# EAGLE board Mk4 Final Panel 8up 2x4 (EAGLE 9.0.1), part 9 of 23
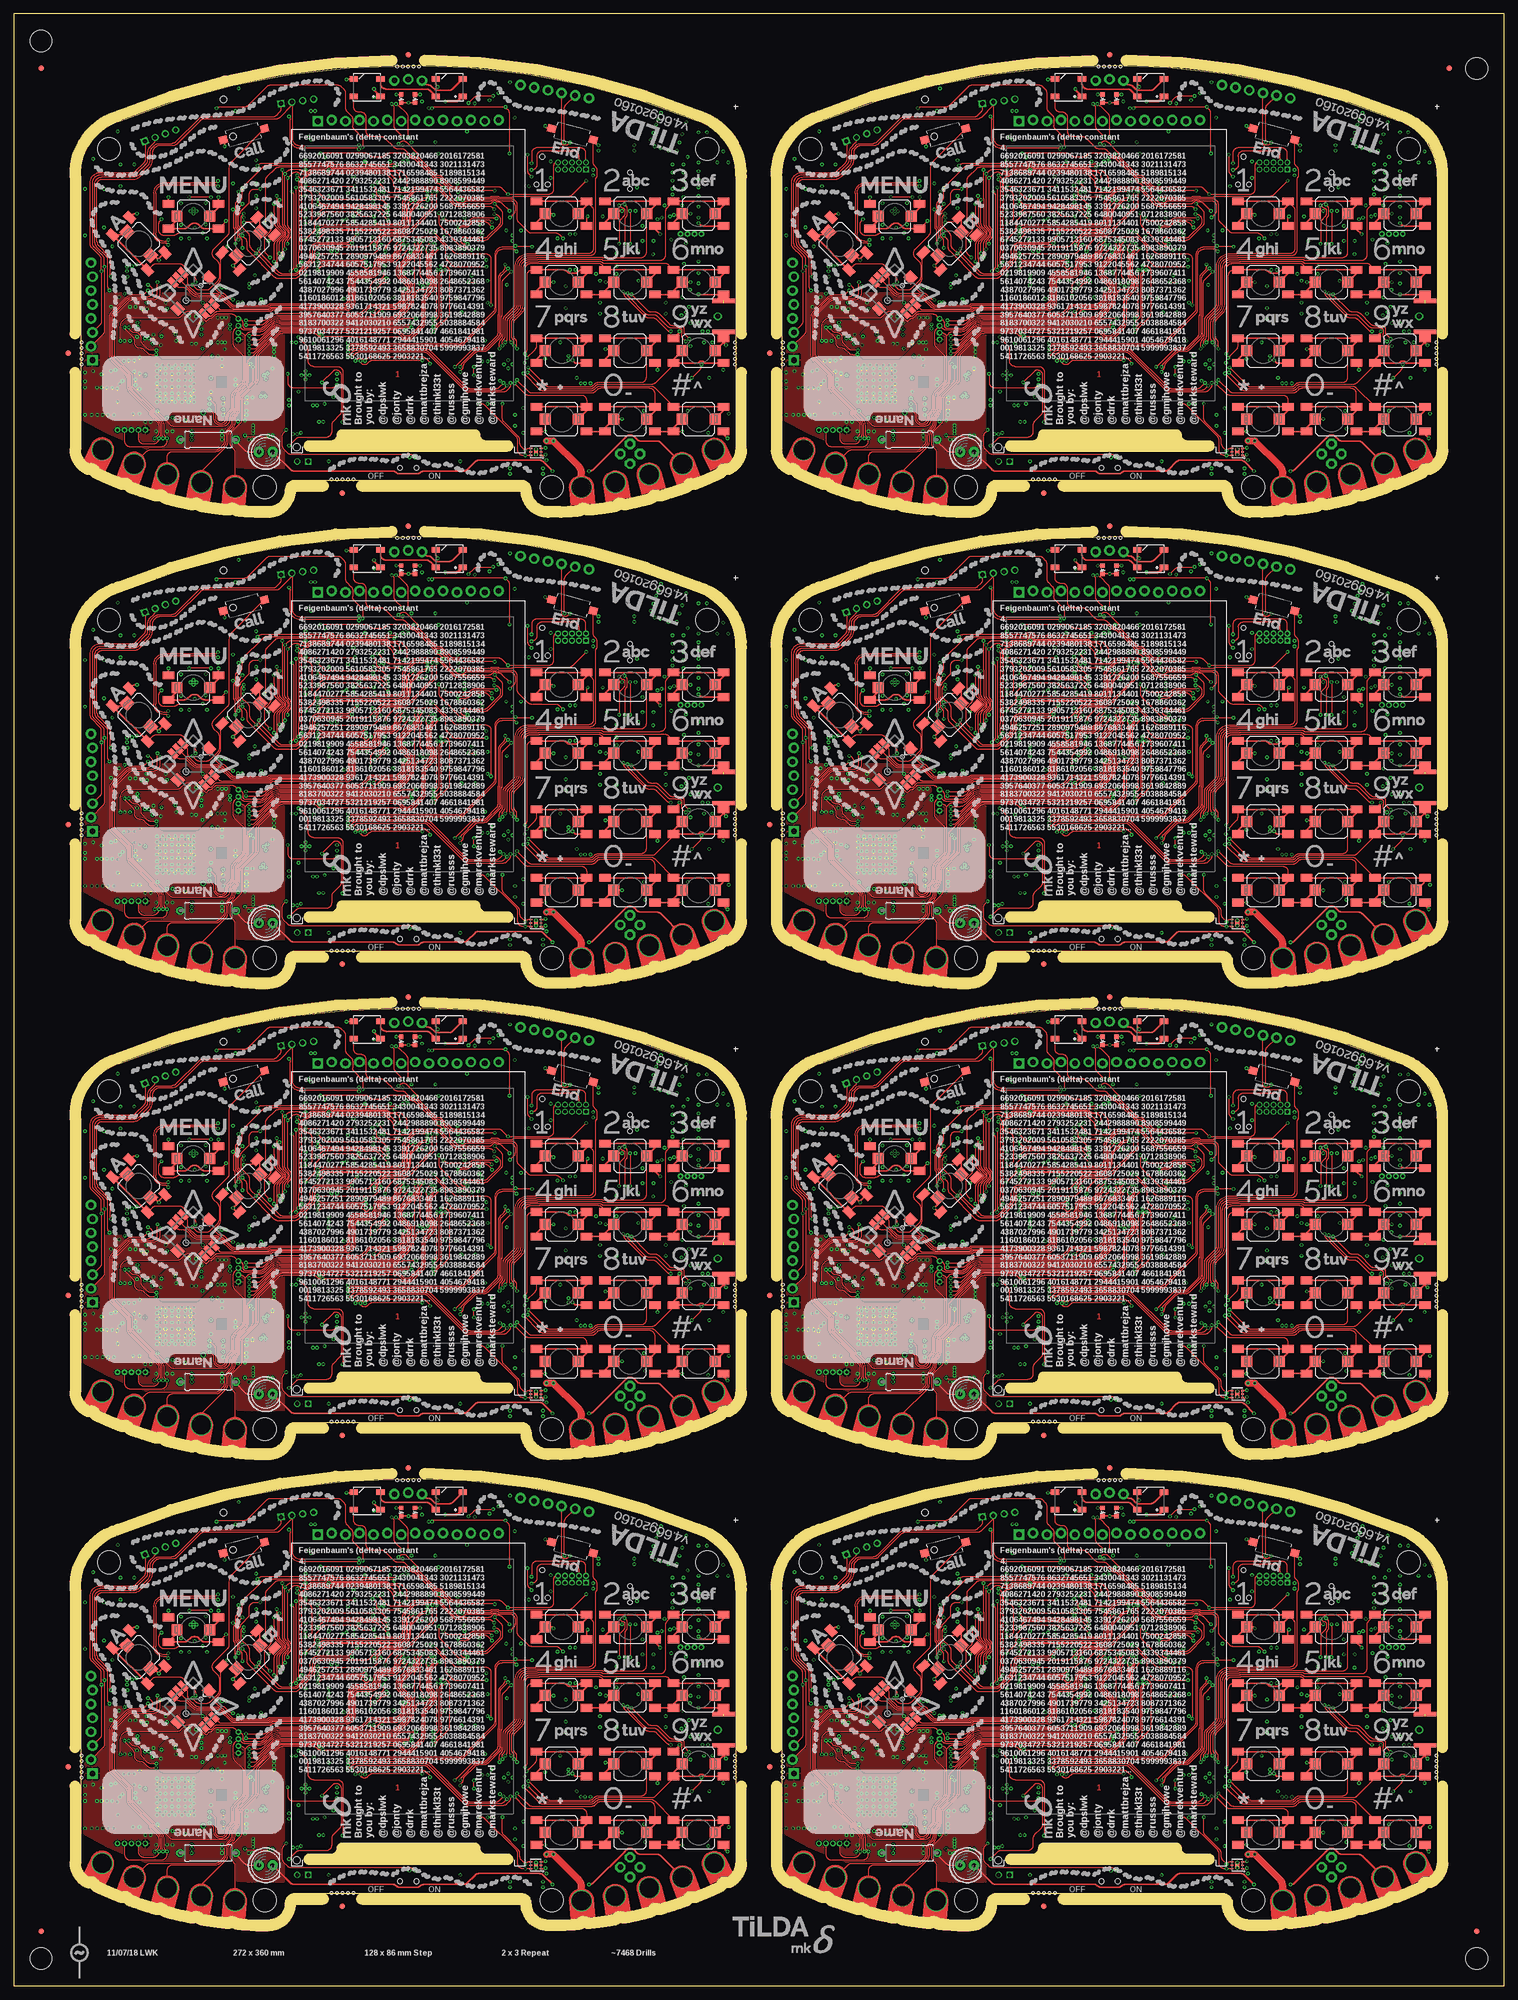
[diagram p0: board, top side]
## Tracks (layer width: path | path; a pad name or v marks a point on that pad's centre or on a via) (continued)
BTN_CALL3  (via drill 0.3) (continued)
  Top 0.15: v218.65,120.6 218.65,120.26 arc-45 218.36,119.56 217.99,119.19 arc-45 217.29,118.9 211.22,118.9 arc-45 210.16,119.34 203.59,125.91 arc45 202.89,126.2 191.01,126.2 arc45 190.31,125.91 v189.8,125.4 | S79.2 167.86,161.1 arc45 167.28,159.69 167.28,148.19 arc-45 166.98,147.48 164.46,144.96 arc90 164.46,143.54 165.21,142.79 arc-45 165.5,142.09 165.5,139.91 arc-45 165.21,139.21 163.79,137.79 arc-45 163.08,137.49 162.02,137.49 arc-45 161.31,137.79 v160.6,138.5
  Bottom 0.15: IC67.15 218.5,120.75 v218.65,120.6 | v189.8,125.4 189.38,124.98 arc-90 188.32,124.98 185.72,127.58 arc45 185.01,127.88 184.17,127.88 arc-45 183.11,128.31 179.52,131.91 arc45 178.81,132.2 171.62,132.2 arc-45 171.48,132.26 171.28,132.47 arc45 171.13,132.53 170.7,132.53 arc-45 169.64,132.96 167.89,134.71 arc45 167.19,135 164.92,135 arc-45 164.03,135.37 163.09,136.31 arc45 162.39,136.6 161.85,136.6 arc-90 160.6,137.85 v160.6,138.5
BTN_CALL4  (via drill 0.3)
  Top 0.15: v90.65,206.6 90.65,206.26 arc-45 90.36,205.56 89.99,205.19 arc-45 89.29,204.9 83.22,204.9 arc-45 82.16,205.34 75.59,211.91 arc45 74.89,212.2 63.01,212.2 arc45 62.31,211.91 v61.8,211.4 | S100.2 39.86,247.1 arc45 39.27,245.69 39.27,234.19 arc-45 38.98,233.48 36.46,230.96 arc90 36.46,229.54 37.21,228.79 arc-45 37.5,228.09 37.5,225.91 arc-45 37.21,225.21 35.79,223.79 arc-45 35.08,223.49 34.02,223.49 arc-45 33.31,223.79 v32.6,224.5
  Bottom 0.15: IC85.15 90.5,206.75 v90.65,206.6 | v61.8,211.4 61.38,210.98 arc-90 60.32,210.98 57.72,213.58 arc45 57.01,213.88 56.17,213.88 arc-45 55.11,214.31 51.52,217.91 arc45 50.81,218.2 43.62,218.2 arc-45 43.48,218.26 43.28,218.47 arc45 43.14,218.53 42.7,218.53 arc-45 41.64,218.96 39.89,220.71 arc45 39.19,221 36.92,221 arc-45 36.03,221.37 35.09,222.31 arc45 34.39,222.6 33.85,222.6 arc-90 32.6,223.85 v32.6,224.5
BTN_CALL5  (via drill 0.3)
  Top 0.15: v218.65,206.6 218.65,206.26 arc-45 218.36,205.56 217.99,205.19 arc-45 217.29,204.9 211.22,204.9 arc-45 210.16,205.34 203.59,211.91 arc45 202.89,212.2 191.01,212.2 arc45 190.31,211.91 v189.8,211.4 | S121.2 167.86,247.1 arc45 167.28,245.69 167.28,234.19 arc-45 166.98,233.48 164.46,230.96 arc90 164.46,229.54 165.21,228.79 arc-45 165.5,228.09 165.5,225.91 arc-45 165.21,225.21 163.79,223.79 arc-45 163.08,223.49 162.02,223.49 arc-45 161.31,223.79 v160.6,224.5
  Bottom 0.15: IC103.15 218.5,206.75 v218.65,206.6 | v189.8,211.4 189.38,210.98 arc-90 188.32,210.98 185.72,213.58 arc45 185.01,213.88 184.17,213.88 arc-45 183.11,214.31 179.52,217.91 arc45 178.81,218.2 171.62,218.2 arc-45 171.48,218.26 171.28,218.47 arc45 171.13,218.53 170.7,218.53 arc-45 169.64,218.96 167.89,220.71 arc45 167.19,221 164.92,221 arc-45 164.03,221.37 163.09,222.31 arc45 162.39,222.6 161.85,222.6 arc-90 160.6,223.85 v160.6,224.5
BTN_CALL6  (via drill 0.3)
  Top 0.15: v90.65,292.6 90.65,292.26 arc-45 90.36,291.56 89.99,291.19 arc-45 89.29,290.9 83.22,290.9 arc-45 82.16,291.34 75.59,297.91 arc45 74.89,298.2 63.01,298.2 arc45 62.31,297.91 v61.8,297.4 | S142.2 39.86,333.1 arc45 39.27,331.69 39.27,320.19 arc-45 38.98,319.48 36.46,316.96 arc90 36.46,315.54 37.21,314.79 arc-45 37.5,314.09 37.5,311.91 arc-45 37.21,311.21 35.79,309.79 arc-45 35.08,309.49 34.02,309.49 arc-45 33.31,309.79 v32.6,310.5
  Bottom 0.15: IC121.15 90.5,292.75 v90.65,292.6 | v61.8,297.4 61.38,296.98 arc-90 60.32,296.98 57.72,299.58 arc45 57.01,299.88 56.17,299.88 arc-45 55.11,300.31 51.52,303.91 arc45 50.81,304.2 43.62,304.2 arc-45 43.48,304.26 43.28,304.47 arc45 43.14,304.52 42.7,304.52 arc-45 41.64,304.96 39.89,306.71 arc45 39.19,307 36.92,307 arc-45 36.03,307.37 35.09,308.31 arc45 34.39,308.6 33.85,308.6 arc-90 32.6,309.85 v32.6,310.5
BTN_CALL7  (via drill 0.3)
  Top 0.15: v218.65,292.6 218.65,292.26 arc-45 218.36,291.56 217.99,291.19 arc-45 217.29,290.9 211.22,290.9 arc-45 210.16,291.34 203.59,297.91 arc45 202.89,298.2 191.01,298.2 arc45 190.31,297.91 v189.8,297.4 | S163.2 167.86,333.1 arc45 167.28,331.69 167.28,320.19 arc-45 166.98,319.48 164.46,316.96 arc90 164.46,315.54 165.21,314.79 arc-45 165.5,314.09 165.5,311.91 arc-45 165.21,311.21 163.79,309.79 arc-45 163.08,309.49 162.02,309.49 arc-45 161.31,309.79 v160.6,310.5
  Bottom 0.15: IC139.15 218.5,292.75 v218.65,292.6 | v189.8,297.4 189.38,296.98 arc-90 188.32,296.98 185.72,299.58 arc45 185.01,299.88 184.17,299.88 arc-45 183.11,300.31 179.52,303.91 arc45 178.81,304.2 171.62,304.2 arc-45 171.48,304.26 171.28,304.47 arc45 171.13,304.52 170.7,304.52 arc-45 169.64,304.96 167.89,306.71 arc45 167.19,307 164.92,307 arc-45 164.03,307.37 163.09,308.31 arc45 162.39,308.6 161.85,308.6 arc-90 160.6,309.85 v160.6,310.5
BTN_END  (via drill 0.3)
  Top 0.2: S17.2 105.77,74.9 arc45 106.06,74.19 106.21,74.04 arc-45 106.5,73.34 106.5,72.46 arc-45 106.35,72.1 arc45 106.25,71.85 106.25,58.9 arc-90 105.25,57.9 95.45,57.9 95.38,57.83 93.9,57.83 arc90 91.9,55.83 91.9,49.05 arc-45 91.53,48.16 89.99,46.62 arc45 89.7,45.92 89.7,43.19 arc-45 89.41,42.48 89.3,42.37 arc45 89.15,42.02 89.15,41.77 89.2,41.72 v89.2,41.4
  Bottom 0.15: IC4.2 89.5,40.69 arc45 v89.21,41.39 v89.2,41.4
BTN_END1  (via drill 0.3)
  Top 0.2: S38.2 233.77,74.9 arc45 234.06,74.19 234.21,74.04 arc-45 234.5,73.34 234.5,72.46 arc-45 234.35,72.1 arc45 234.25,71.85 234.25,58.9 arc-90 233.25,57.9 223.46,57.9 223.38,57.83 221.9,57.83 arc90 219.9,55.83 219.9,49.05 arc-45 219.53,48.16 217.99,46.62 arc45 217.7,45.92 217.7,43.19 arc-45 217.41,42.48 217.3,42.37 arc45 217.15,42.02 217.15,41.77 217.2,41.72 v217.2,41.4
  Bottom 0.15: IC31.2 217.5,40.69 arc45 v217.21,41.39 v217.2,41.4
BTN_END2  (via drill 0.3)
  Top 0.2: S59.2 105.77,160.9 arc45 106.06,160.19 106.21,160.04 arc-45 106.5,159.34 106.5,158.46 arc-45 106.35,158.1 arc45 106.25,157.85 106.25,144.9 arc-90 105.25,143.9 95.45,143.9 95.38,143.82 93.9,143.82 arc90 91.9,141.82 91.9,135.05 arc-45 91.53,134.16 89.99,132.62 arc45 89.7,131.92 89.7,129.19 arc-45 89.41,128.49 89.3,128.37 arc45 89.15,128.02 89.15,127.77 89.2,127.72 v89.2,127.4
  Bottom 0.15: IC49.2 89.5,126.69 arc45 v89.21,127.39 v89.2,127.4
BTN_END3  (via drill 0.3)
  Top 0.2: S80.2 233.77,160.9 arc45 234.06,160.19 234.21,160.04 arc-45 234.5,159.34 234.5,158.46 arc-45 234.35,158.1 arc45 234.25,157.85 234.25,144.9 arc-90 233.25,143.9 223.46,143.9 223.38,143.82 221.9,143.82 arc90 219.9,141.82 219.9,135.05 arc-45 219.53,134.16 217.99,132.62 arc45 217.7,131.92 217.7,129.19 arc-45 217.41,128.49 217.3,128.37 arc45 217.15,128.02 217.15,127.77 217.2,127.72 v217.2,127.4
  Bottom 0.15: IC67.2 217.5,126.69 arc45 v217.21,127.39 v217.2,127.4
BTN_END4  (via drill 0.3)
  Top 0.2: S101.2 105.77,246.9 arc45 106.06,246.19 106.21,246.04 arc-45 106.5,245.34 106.5,244.46 arc-45 106.35,244.1 arc45 106.25,243.85 106.25,230.9 arc-90 105.25,229.9 95.45,229.9 95.38,229.82 93.9,229.82 arc90 91.9,227.82 91.9,221.05 arc-45 91.53,220.16 89.99,218.62 arc45 89.7,217.92 89.7,215.19 arc-45 89.41,214.49 89.3,214.37 arc45 89.15,214.02 89.15,213.77 89.2,213.72 v89.2,213.4
  Bottom 0.15: IC85.2 89.5,212.69 arc45 v89.21,213.39 v89.2,213.4
BTN_END5  (via drill 0.3)
  Top 0.2: S122.2 233.77,246.9 arc45 234.06,246.19 234.21,246.04 arc-45 234.5,245.34 234.5,244.46 arc-45 234.35,244.1 arc45 234.25,243.85 234.25,230.9 arc-90 233.25,229.9 223.46,229.9 223.38,229.82 221.9,229.82 arc90 219.9,227.82 219.9,221.05 arc-45 219.53,220.16 217.99,218.62 arc45 217.7,217.92 217.7,215.19 arc-45 217.41,214.49 217.3,214.37 arc45 217.15,214.02 217.15,213.77 217.2,213.72 v217.2,213.4
  Bottom 0.15: IC103.2 217.5,212.69 arc45 v217.21,213.39 v217.2,213.4
BTN_END6  (via drill 0.3)
  Top 0.2: S143.2 105.77,332.9 arc45 106.06,332.19 106.21,332.04 arc-45 106.5,331.34 106.5,330.46 arc-45 106.35,330.1 arc45 106.25,329.85 106.25,316.9 arc-90 105.25,315.9 95.45,315.9 95.38,315.82 93.9,315.82 arc90 91.9,313.82 91.9,307.05 arc-45 91.53,306.16 89.99,304.62 arc45 89.7,303.92 89.7,301.19 arc-45 89.41,300.49 89.3,300.37 arc45 89.15,300.02 89.15,299.77 89.2,299.72 v89.2,299.4
  Bottom 0.15: IC121.2 89.5,298.69 arc45 v89.21,299.39 v89.2,299.4
BTN_END7  (via drill 0.3)
  Top 0.2: S164.2 233.77,332.9 arc45 234.06,332.19 234.21,332.04 arc-45 234.5,331.34 234.5,330.46 arc-45 234.35,330.1 arc45 234.25,329.85 234.25,316.9 arc-90 233.25,315.9 223.46,315.9 223.38,315.82 221.9,315.82 arc90 219.9,313.82 219.9,307.05 arc-45 219.53,306.16 217.99,304.62 arc45 217.7,303.92 217.7,301.19 arc-45 217.41,300.49 217.3,300.37 arc45 217.15,300.02 217.15,299.77 217.2,299.72 v217.2,299.4
  Bottom 0.15: IC139.2 217.5,298.69 arc45 v217.21,299.39 v217.2,299.4
BTN_MENU  (via drill 0.3)
  Top 0.15: S14.B1 v38.75,64.15 | v56,76.5 64.23,76.5 arc-45 64.94,76.21 65.08,76.07 arc45 65.78,75.78 67.02,75.78 arc45 67.72,76.07 67.86,76.21 arc-45 68.57,76.5 71.23,76.5 arc-45 71.93,76.21 72.37,75.77 arc45 73.08,75.47 arc-45 73.33,75.37 77.02,71.68 arc-45 77.08,71.54 77.08,71.47 arc90 77.58,70.97 77.64,70.97 arc-45 77.78,70.92 v78.45,70.25
  Top 0.3: S14.2 29.8,64.3 S14.B2 31.09,62.75 arc45 31.79,63.04 32.21,63.46 arc-45 32.91,63.75 33.09,63.75 arc-45 33.79,63.46 34.21,63.04 arc45 34.91,62.75 S14.B1
  Bottom 0.15: v56,76.5 40.75,76.5 arc90 38.75,74.5 v38.75,64.15 | IC1.102 78.95,69.2 arc-90 78.45,69.7 v78.45,70.25
BTN_MENU1  (via drill 0.3)
  Top 0.15: S36.B1 v166.75,64.15 | v184,76.5 192.23,76.5 arc-45 192.94,76.21 193.08,76.07 arc45 193.78,75.78 195.02,75.78 arc45 195.72,76.07 195.86,76.21 arc-45 196.57,76.5 199.23,76.5 arc-45 199.93,76.21 200.37,75.77 arc45 201.08,75.47 arc-45 201.33,75.37 205.02,71.68 arc-45 205.07,71.54 205.07,71.47 arc90 205.57,70.97 205.64,70.97 arc-45 205.78,70.92 v206.45,70.25
  Top 0.3: S36.2 157.8,64.3 S36.B2 159.09,62.75 arc45 159.79,63.04 160.21,63.46 arc-45 160.91,63.75 161.09,63.75 arc-45 161.79,63.46 162.21,63.04 arc45 162.91,62.75 S36.B1
  Bottom 0.15: v184,76.5 168.75,76.5 arc90 166.75,74.5 v166.75,64.15 | IC20.102 206.95,69.2 arc-90 206.45,69.7 v206.45,70.25
BTN_MENU2  (via drill 0.3)
  Top 0.15: S57.B1 v38.75,150.15 | v56,162.5 64.23,162.5 arc-45 64.94,162.21 65.08,162.07 arc45 65.78,161.78 67.02,161.78 arc45 67.72,162.07 67.86,162.21 arc-45 68.57,162.5 71.23,162.5 arc-45 71.93,162.21 72.37,161.77 arc45 73.08,161.47 arc-45 73.33,161.37 77.02,157.68 arc-45 77.08,157.54 77.08,157.47 arc90 77.58,156.97 77.64,156.97 arc-45 77.78,156.92 v78.45,156.25
  Top 0.3: S57.2 29.8,150.3 S57.B2 31.09,148.75 arc45 31.79,149.04 32.21,149.46 arc-45 32.91,149.75 33.09,149.75 arc-45 33.79,149.46 34.21,149.04 arc45 34.91,148.75 S57.B1
  Bottom 0.15: v56,162.5 40.75,162.5 arc90 38.75,160.5 v38.75,150.15 | IC38.102 78.95,155.2 arc-90 78.45,155.7 v78.45,156.25
BTN_MENU3  (via drill 0.3)
  Top 0.15: S78.B1 v166.75,150.15 | v184,162.5 192.23,162.5 arc-45 192.94,162.21 193.08,162.07 arc45 193.78,161.78 195.02,161.78 arc45 195.72,162.07 195.86,162.21 arc-45 196.57,162.5 199.23,162.5 arc-45 199.93,162.21 200.37,161.77 arc45 201.08,161.47 arc-45 201.33,161.37 205.02,157.68 arc-45 205.07,157.54 205.07,157.47 arc90 205.57,156.97 205.64,156.97 arc-45 205.78,156.92 v206.45,156.25
  Top 0.3: S78.2 157.8,150.3 S78.B2 159.09,148.75 arc45 159.79,149.04 160.21,149.46 arc-45 160.91,149.75 161.09,149.75 arc-45 161.79,149.46 162.21,149.04 arc45 162.91,148.75 S78.B1
  Bottom 0.15: v184,162.5 168.75,162.5 arc90 166.75,160.5 v166.75,150.15 | IC56.102 206.95,155.2 arc-90 206.45,155.7 v206.45,156.25
BTN_MENU4  (via drill 0.3)
  Top 0.15: S99.B1 v38.75,236.15 | v56,248.5 64.23,248.5 arc-45 64.94,248.21 65.08,248.07 arc45 65.78,247.78 67.02,247.78 arc45 67.72,248.07 67.86,248.21 arc-45 68.57,248.5 71.23,248.5 arc-45 71.93,248.21 72.37,247.77 arc45 73.08,247.47 arc-45 73.33,247.37 77.02,243.68 arc-45 77.08,243.54 77.08,243.47 arc90 77.58,242.97 77.64,242.97 arc-45 77.78,242.92 v78.45,242.25
  Top 0.3: S99.2 29.8,236.3 S99.B2 31.09,234.75 arc45 31.79,235.04 32.21,235.46 arc-45 32.91,235.75 33.09,235.75 arc-45 33.79,235.46 34.21,235.04 arc45 34.91,234.75 S99.B1
  Bottom 0.15: v56,248.5 40.75,248.5 arc90 38.75,246.5 v38.75,236.15 | IC74.102 78.95,241.2 arc-90 78.45,241.7 v78.45,242.25
BTN_MENU5  (via drill 0.3)
  Top 0.15: S120.B1 v166.75,236.15 | v184,248.5 192.23,248.5 arc-45 192.94,248.21 193.08,248.07 arc45 193.78,247.78 195.02,247.78 arc45 195.72,248.07 195.86,248.21 arc-45 196.57,248.5 199.23,248.5 arc-45 199.93,248.21 200.37,247.77 arc45 201.08,247.47 arc-45 201.33,247.37 205.02,243.68 arc-45 205.07,243.54 205.07,243.47 arc90 205.57,242.97 205.64,242.97 arc-45 205.78,242.92 v206.45,242.25
  Top 0.3: S120.2 157.8,236.3 S120.B2 159.09,234.75 arc45 159.79,235.04 160.21,235.46 arc-45 160.91,235.75 161.09,235.75 arc-45 161.79,235.46 162.21,235.04 arc45 162.91,234.75 S120.B1
  Bottom 0.15: v184,248.5 168.75,248.5 arc90 166.75,246.5 v166.75,236.15 | IC92.102 206.95,241.2 arc-90 206.45,241.7 v206.45,242.25
BTN_MENU6  (via drill 0.3)
  Top 0.15: S141.B1 v38.75,322.15 | v56,334.5 64.23,334.5 arc-45 64.94,334.21 65.08,334.07 arc45 65.78,333.77 67.02,333.77 arc45 67.72,334.07 67.86,334.21 arc-45 68.57,334.5 71.23,334.5 arc-45 71.93,334.21 72.37,333.77 arc45 73.08,333.48 arc-45 73.33,333.37 77.02,329.68 arc-45 77.08,329.54 77.08,329.48 arc90 77.58,328.98 77.64,328.98 arc-45 77.78,328.92 v78.45,328.25
  Top 0.3: S141.2 29.8,322.3 S141.B2 31.09,320.75 arc45 31.79,321.04 32.21,321.46 arc-45 32.91,321.75 33.09,321.75 arc-45 33.79,321.46 34.21,321.04 arc45 34.91,320.75 S141.B1
  Bottom 0.15: v56,334.5 40.75,334.5 arc90 38.75,332.5 v38.75,322.15 | IC110.102 78.95,327.2 arc-90 78.45,327.7 v78.45,328.25
BTN_MENU7  (via drill 0.3)
  Top 0.15: S162.B1 v166.75,322.15 | v184,334.5 192.23,334.5 arc-45 192.94,334.21 193.08,334.07 arc45 193.78,333.77 195.02,333.77 arc45 195.72,334.07 195.86,334.21 arc-45 196.57,334.5 199.23,334.5 arc-45 199.93,334.21 200.37,333.77 arc45 201.08,333.48 arc-45 201.33,333.37 205.02,329.68 arc-45 205.07,329.54 205.07,329.48 arc90 205.57,328.98 205.64,328.98 arc-45 205.78,328.92 v206.45,328.25
  Top 0.3: S162.2 157.8,322.3 S162.B2 159.09,320.75 arc45 159.79,321.04 160.21,321.46 arc-45 160.91,321.75 161.09,321.75 arc-45 161.79,321.46 162.21,321.04 arc45 162.91,320.75 S162.B1
  Bottom 0.15: v184,334.5 168.75,334.5 arc90 166.75,332.5 v166.75,322.15 | IC128.102 206.95,327.2 arc-90 206.45,327.7 v206.45,328.25
BTST
  Bottom 0.15: IC8.21 50.54,35.75 50.04,35.25 C37.1
BTST1
  Bottom 0.15: IC24.21 178.54,35.75 178.04,35.25 C150.1
BTST2
  Bottom 0.15: IC42.21 50.54,121.75 50.04,121.25 C258.1
BTST3
  Bottom 0.15: IC60.21 178.54,121.75 178.04,121.25 C366.1
BTST4
  Bottom 0.15: IC78.21 50.54,207.75 50.04,207.25 C474.1
BTST5
  Bottom 0.15: IC96.21 178.54,207.75 178.04,207.25 C582.1
BTST6
  Bottom 0.15: IC114.21 50.54,293.75 50.04,293.25 C690.1
BTST7
  Bottom 0.15: IC132.21 178.54,293.75 178.04,293.25 C798.1
CC_!HIB  (via drill 0.3)
  Top 0.15: v43,43.2 44.48,43.2 arc45 45.72,43.71 47.07,45.07 arc-45 48.84,45.8 69.05,45.8 arc45 70.29,46.31 72.71,48.73 arc45 73,49.44 73,49.89 arc-45 73.15,50.25 73.35,50.45 arc45 73.5,50.81 73.5,51.1 arc-90 74,51.6 74.89,51.6 arc45 75.59,51.89 75.73,52.03 arc45 76.03,52.74 76.03,52.97 76,52.99 arc45 75.82,53.44 75.59,53.66 arc-45 75.3,54.37 75.3,58.46 arc-45 75.22,58.64 75.22,58.86 arc-45 75.3,59.04 75.3,59.29 arc-45 75.45,59.65 v76.1,60.3
  Bottom 0.15: IC15.2 32.75,29.7 arc45 32.89,29.36 33.88,28.38 arc45 34.18,28.25 35.79,28.25 arc45 36.15,28.4 R25.1 36.88,28.37 arc45 37.23,28.23 38.3,28.23 arc90 38.8,28.73 38.8,30.5 arc-45 39.39,31.91 40.81,33.33 arc45 41.1,34.04 41.1,40.89 arc-45 41.39,41.59 v43,43.2 | IC1.124 77.22,60.4 arc-45 77.08,60.46 77.08,60.47 arc45 76.94,60.52 76.53,60.52 arc45 76.18,60.38 v76.1,60.3
CC_!HIB1  (via drill 0.3)
  Top 0.15: v171,43.2 172.48,43.2 arc45 173.72,43.71 175.07,45.07 arc-45 176.84,45.8 197.05,45.8 arc45 198.29,46.31 200.71,48.73 arc45 201,49.44 201,49.89 arc-45 201.15,50.25 201.35,50.45 arc45 201.5,50.81 201.5,51.1 arc-90 202,51.6 202.89,51.6 arc45 203.59,51.89 203.73,52.03 arc45 204.03,52.74 204.03,52.97 204,52.99 arc45 203.82,53.44 203.59,53.66 arc-45 203.3,54.37 203.3,58.46 arc-45 203.22,58.64 203.22,58.86 arc-45 203.3,59.04 203.3,59.29 arc-45 203.45,59.65 v204.1,60.3
  Bottom 0.15: IC29.2 160.75,29.7 arc45 160.89,29.36 161.88,28.38 arc45 162.18,28.25 163.79,28.25 arc45 164.15,28.4 R107.1 164.88,28.37 arc45 165.23,28.23 166.3,28.23 arc90 166.8,28.73 166.8,30.5 arc-45 167.39,31.91 168.81,33.33 arc45 169.1,34.04 169.1,40.89 arc-45 169.39,41.59 v171,43.2 | IC20.124 205.22,60.4 arc-45 205.08,60.46 205.08,60.47 arc45 204.94,60.52 204.53,60.52 arc45 204.18,60.38 v204.1,60.3
CC_!HIB2  (via drill 0.3)
  Top 0.15: v43,129.2 44.48,129.2 arc45 45.72,129.71 47.07,131.07 arc-45 48.84,131.8 69.05,131.8 arc45 70.29,132.31 72.71,134.73 arc45 73,135.44 73,135.89 arc-45 73.15,136.25 73.35,136.45 arc45 73.5,136.81 73.5,137.1 arc-90 74,137.6 74.89,137.6 arc45 75.59,137.89 75.73,138.03 arc45 76.03,138.74 76.03,138.97 76,138.99 arc45 75.82,139.44 75.59,139.66 arc-45 75.3,140.37 75.3,144.46 arc-45 75.22,144.64 75.22,144.86 arc-45 75.3,145.04 75.3,145.29 arc-45 75.45,145.65 v76.1,146.3
  Bottom 0.15: IC47.2 32.75,115.7 arc45 32.89,115.36 33.88,114.38 arc45 34.18,114.25 35.79,114.25 arc45 36.15,114.4 R185.1 36.88,114.37 arc45 37.23,114.22 38.3,114.22 arc90 38.8,114.72 38.8,116.5 arc-45 39.39,117.91 40.81,119.33 arc45 41.1,120.04 41.1,126.89 arc-45 41.39,127.59 v43,129.2 | IC38.124 77.22,146.4 arc-45 77.08,146.46 77.08,146.47 arc45 76.94,146.53 76.53,146.53 arc45 76.18,146.38 v76.1,146.3
CC_!HIB3  (via drill 0.3)
  Top 0.15: v171,129.2 172.48,129.2 arc45 173.72,129.71 175.07,131.07 arc-45 176.84,131.8 197.05,131.8 arc45 198.29,132.31 200.71,134.73 arc45 201,135.44 201,135.89 arc-45 201.15,136.25 201.35,136.45 arc45 201.5,136.81 201.5,137.1 arc-90 202,137.6 202.89,137.6 arc45 203.59,137.89 203.73,138.03 arc45 204.03,138.74 204.03,138.97 204,138.99 arc45 203.82,139.44 203.59,139.66 arc-45 203.3,140.37 203.3,144.46 arc-45 203.22,144.64 203.22,144.86 arc-45 203.3,145.04 203.3,145.29 arc-45 203.45,145.65 v204.1,146.3
  Bottom 0.15: IC65.2 160.75,115.7 arc45 160.89,115.36 161.88,114.38 arc45 162.18,114.25 163.79,114.25 arc45 164.15,114.4 R263.1 164.88,114.37 arc45 165.23,114.22 166.3,114.22 arc90 166.8,114.72 166.8,116.5 arc-45 167.39,117.91 168.81,119.33 arc45 169.1,120.04 169.1,126.89 arc-45 169.39,127.59 v171,129.2 | IC56.124 205.22,146.4 arc-45 205.08,146.46 205.08,146.47 arc45 204.94,146.53 204.53,146.53 arc45 204.18,146.38 v204.1,146.3
CC_!HIB4  (via drill 0.3)
  Top 0.15: v43,215.2 44.48,215.2 arc45 45.72,215.71 47.07,217.07 arc-45 48.84,217.8 69.05,217.8 arc45 70.29,218.31 72.71,220.73 arc45 73,221.44 73,221.89 arc-45 73.15,222.25 73.35,222.45 arc45 73.5,222.81 73.5,223.1 arc-90 74,223.6 74.89,223.6 arc45 75.59,223.89 75.73,224.03 arc45 76.03,224.74 76.03,224.97 76,224.99 arc45 75.82,225.44 75.59,225.66 arc-45 75.3,226.37 75.3,230.46 arc-45 75.22,230.64 75.22,230.86 arc-45 75.3,231.04 75.3,231.29 arc-45 75.45,231.65 v76.1,232.3
  Bottom 0.15: IC83.2 32.75,201.7 arc45 32.89,201.36 33.88,200.38 arc45 34.18,200.25 35.79,200.25 arc45 36.15,200.4 R341.1 36.88,200.37 arc45 37.23,200.22 38.3,200.22 arc90 38.8,200.72 38.8,202.5 arc-45 39.39,203.91 40.81,205.33 arc45 41.1,206.04 41.1,212.89 arc-45 41.39,213.59 v43,215.2 | IC74.124 77.22,232.4 arc-45 77.08,232.46 77.08,232.47 arc45 76.94,232.53 76.53,232.53 arc45 76.18,232.38 v76.1,232.3
CC_!HIB5  (via drill 0.3)
  Top 0.15: v171,215.2 172.48,215.2 arc45 173.72,215.71 175.07,217.07 arc-45 176.84,217.8 197.05,217.8 arc45 198.29,218.31 200.71,220.73 arc45 201,221.44 201,221.89 arc-45 201.15,222.25 201.35,222.45 arc45 201.5,222.81 201.5,223.1 arc-90 202,223.6 202.89,223.6 arc45 203.59,223.89 203.73,224.03 arc45 204.03,224.74 204.03,224.97 204,224.99 arc45 203.82,225.44 203.59,225.66 arc-45 203.3,226.37 203.3,230.46 arc-45 203.22,230.64 203.22,230.86 arc-45 203.3,231.04 203.3,231.29 arc-45 203.45,231.65 v204.1,232.3
  Bottom 0.15: IC101.2 160.75,201.7 arc45 160.89,201.36 161.88,200.38 arc45 162.18,200.25 163.79,200.25 arc45 164.15,200.4 R419.1 164.88,200.37 arc45 165.23,200.22 166.3,200.22 arc90 166.8,200.72 166.8,202.5 arc-45 167.39,203.91 168.81,205.33 arc45 169.1,206.04 169.1,212.89 arc-45 169.39,213.59 v171,215.2 | IC92.124 205.22,232.4 arc-45 205.08,232.46 205.08,232.47 arc45 204.94,232.53 204.53,232.53 arc45 204.18,232.38 v204.1,232.3
CC_!HIB6  (via drill 0.3)
  Top 0.15: v43,301.2 44.48,301.2 arc45 45.72,301.71 47.07,303.07 arc-45 48.84,303.8 69.05,303.8 arc45 70.29,304.31 72.71,306.73 arc45 73,307.44 73,307.89 arc-45 73.15,308.25 73.35,308.45 arc45 73.5,308.81 73.5,309.1 arc-90 74,309.6 74.89,309.6 arc45 75.59,309.89 75.73,310.03 arc45 76.03,310.74 76.03,310.97 76,310.99 arc45 75.82,311.44 75.59,311.66 arc-45 75.3,312.37 75.3,316.46 arc-45 75.22,316.64 75.22,316.86 arc-45 75.3,317.04 75.3,317.29 arc-45 75.45,317.65 v76.1,318.3
  Bottom 0.15: IC119.2 32.75,287.7 arc45 32.89,287.36 33.88,286.38 arc45 34.18,286.25 35.79,286.25 arc45 36.15,286.4 R497.1 36.88,286.37 arc45 37.23,286.23 38.3,286.23 arc90 38.8,286.73 38.8,288.5 arc-45 39.39,289.91 40.81,291.33 arc45 41.1,292.04 41.1,298.89 arc-45 41.39,299.59 v43,301.2 | IC110.124 77.22,318.4 arc-45 77.08,318.46 77.08,318.47 arc45 76.94,318.52 76.53,318.52 arc45 76.18,318.38 v76.1,318.3
CC_!HIB7  (via drill 0.3)
  Top 0.15: v171,301.2 172.48,301.2 arc45 173.72,301.71 175.07,303.07 arc-45 176.84,303.8 197.05,303.8 arc45 198.29,304.31 200.71,306.73 arc45 201,307.44 201,307.89 arc-45 201.15,308.25 201.35,308.45 arc45 201.5,308.81 201.5,309.1 arc-90 202,309.6 202.89,309.6 arc45 203.59,309.89 203.73,310.03 arc45 204.03,310.74 204.03,310.97 204,310.99 arc45 203.82,311.44 203.59,311.66 arc-45 203.3,312.37 203.3,316.46 arc-45 203.22,316.64 203.22,316.86 arc-45 203.3,317.04 203.3,317.29 arc-45 203.45,317.65 v204.1,318.3
  Bottom 0.15: IC137.2 160.75,287.7 arc45 160.89,287.36 161.88,286.38 arc45 162.18,286.25 163.79,286.25 arc45 164.15,286.4 R575.1 164.88,286.37 arc45 165.23,286.23 166.3,286.23 arc90 166.8,286.73 166.8,288.5 arc-45 167.39,289.91 168.81,291.33 arc45 169.1,292.04 169.1,298.89 arc-45 169.39,299.59 v171,301.2 | IC128.124 205.22,318.4 arc-45 205.08,318.46 205.08,318.47 arc45 204.94,318.52 204.53,318.52 arc45 204.18,318.38 v204.1,318.3
CC_!RESET  (via drill 0.3)
  Top 0.15: v73.2,60.5 73.2,59.95 arc45 73.35,59.6 73.38,59.56 arc-45 73.53,59.21 73.53,59.09 arc-45 73.45,58.9 arc45 73.3,58.55 73.3,58.54 arc-45 73.15,58.19 70.86,55.89 arc90 70.86,54.12 72.31,52.67 arc-45 72.6,51.96 72.6,51.41 arc-45 72.45,51.05 72.25,50.85 arc45 72.1,50.49 72.1,50.22 arc-45 71.51,48.81 69.7,46.99 arc-45 68.99,46.7 48.78,46.7 arc45 46.58,45.85 45.63,44.89 arc-45 44.92,44.6 42.3,44.6 arc-90 41.8,45.1 41.8,45.51 arc90 JP5.4 40.39,46.91 arc45 39.69,47.2 37.13,47.2 arc45 36.78,47.05 36.26,46.53 arc-45 35.94,46.4 arc45 35.59,46.25 35.28,45.95 arc-90 34.92,45.95 33.56,47.31 arc45 32.86,47.6 31.81,47.6 arc45 31.11,47.31 30.49,46.69 arc-45 29.79,46.4 20.9,46.4 arc90 19.4,44.9 19.4,42.34 v19.5,42.24 v19.5,42.25
  Bottom 0.15: IC1.12 73.8,59.69 arc45 73.65,60.05 v73.2,60.5
  Bottom 0.2: IC15.32 24.75,38.25 24.54,38.46 arc-45 24.25,39.16 24.25,39.5 arc90 23.25,40.5 R73.1 C60.2 arc-90 19.5,41.25 v19.5,42.25
CC_!RESET1  (via drill 0.3)
  Top 0.15: v201.2,60.5 201.2,59.95 arc45 201.35,59.6 201.38,59.56 arc-45 201.53,59.21 201.53,59.09 arc-45 201.45,58.9 arc45 201.3,58.55 201.3,58.54 arc-45 201.15,58.19 198.86,55.89 arc90 198.86,54.12 200.31,52.67 arc-45 200.6,51.96 200.6,51.41 arc-45 200.45,51.05 200.25,50.85 arc45 200.1,50.49 200.1,50.22 arc-45 199.51,48.81 197.7,46.99 arc-45 196.99,46.7 176.78,46.7 arc45 174.58,45.85 173.63,44.89 arc-45 172.92,44.6 170.3,44.6 arc-90 169.8,45.1 169.8,45.51 arc90 JP16.4 168.39,46.91 arc45 167.69,47.2 165.13,47.2 arc45 164.78,47.05 164.26,46.53 arc-45 163.94,46.4 arc45 163.58,46.25 163.28,45.95 arc-90 162.93,45.95 161.56,47.31 arc45 160.86,47.6 159.81,47.6 arc45 159.11,47.31 158.49,46.69 arc-45 157.79,46.4 148.9,46.4 arc90 147.4,44.9 147.4,42.34 v147.5,42.24 v147.5,42.25
  Bottom 0.15: IC20.12 201.8,59.69 arc45 201.65,60.05 v201.2,60.5
  Bottom 0.2: IC29.32 152.75,38.25 152.54,38.46 arc-45 152.25,39.16 152.25,39.5 arc90 151.25,40.5 R151.1 C187.2 arc-90 147.5,41.25 v147.5,42.25
CC_!RESET2  (via drill 0.3)
  Top 0.15: v73.2,146.5 73.2,145.95 arc45 73.35,145.6 73.38,145.56 arc-45 73.53,145.21 73.53,145.09 arc-45 73.45,144.9 arc45 73.3,144.55 73.3,144.54 arc-45 73.15,144.19 70.86,141.89 arc90 70.86,140.12 72.31,138.67 arc-45 72.6,137.96 72.6,137.41 arc-45 72.45,137.05 72.25,136.85 arc45 72.1,136.49 72.1,136.22 arc-45 71.51,134.81 69.7,132.99 arc-45 68.99,132.7 48.78,132.7 arc45 46.58,131.85 45.63,130.89 arc-45 44.92,130.6 42.3,130.6 arc-90 41.8,131.1 41.8,131.51 arc90 JP25.4 40.39,132.91 arc45 39.69,133.2 37.13,133.2 arc45 36.78,133.05 36.26,132.53 arc-45 35.94,132.4 arc45 35.59,132.25 35.28,131.95 arc-90 34.92,131.95 33.56,133.31 arc45 32.86,133.6 31.81,133.6 arc45 31.11,133.31 30.49,132.69 arc-45 29.79,132.4 20.9,132.4 arc90 19.4,130.9 19.4,128.34 v19.5,128.24 v19.5,128.25